# KiCad board proteus.kicad_pcb
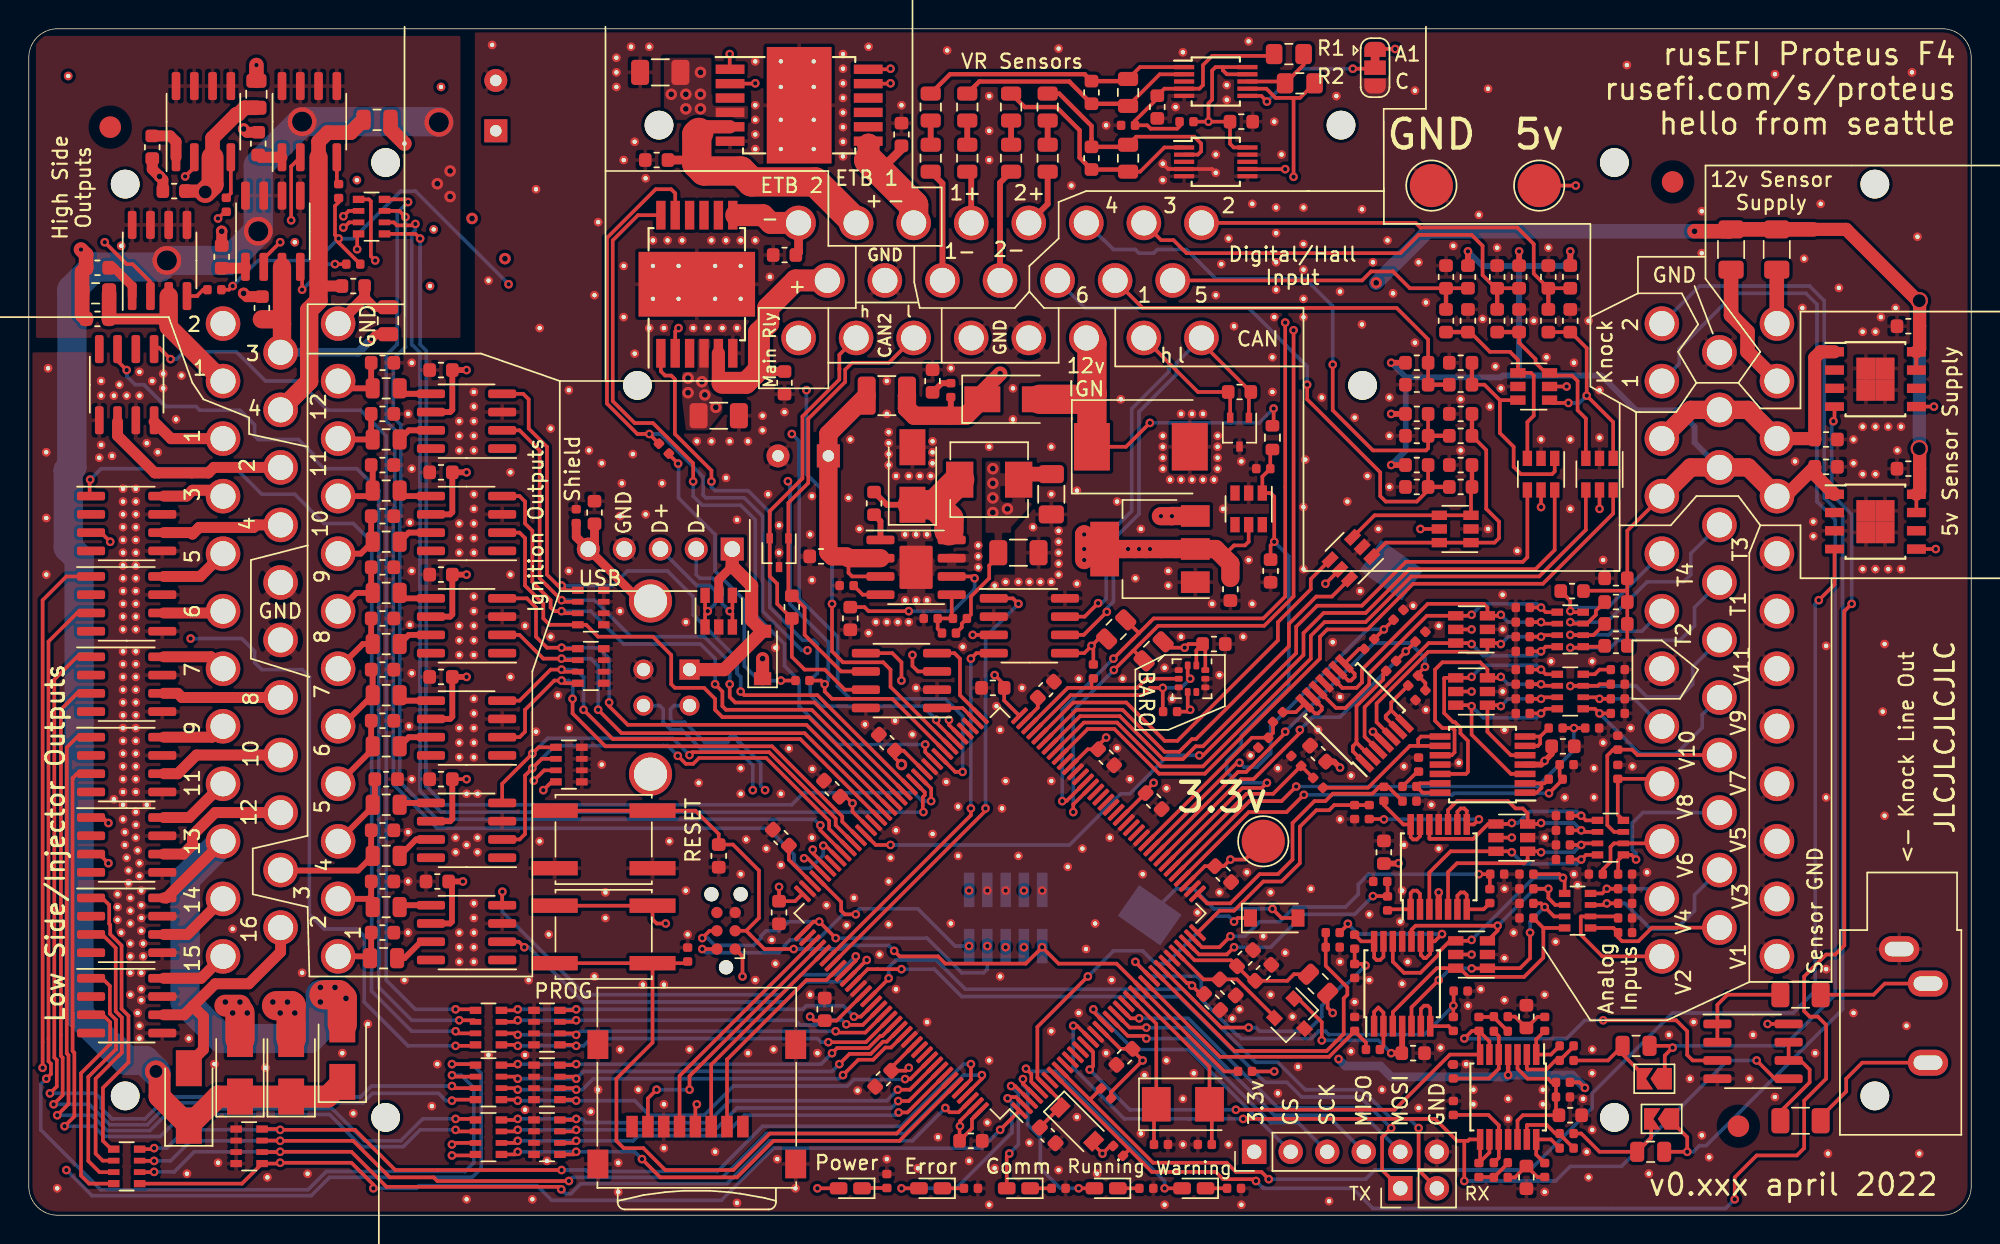
[diagram p0: board, top side]
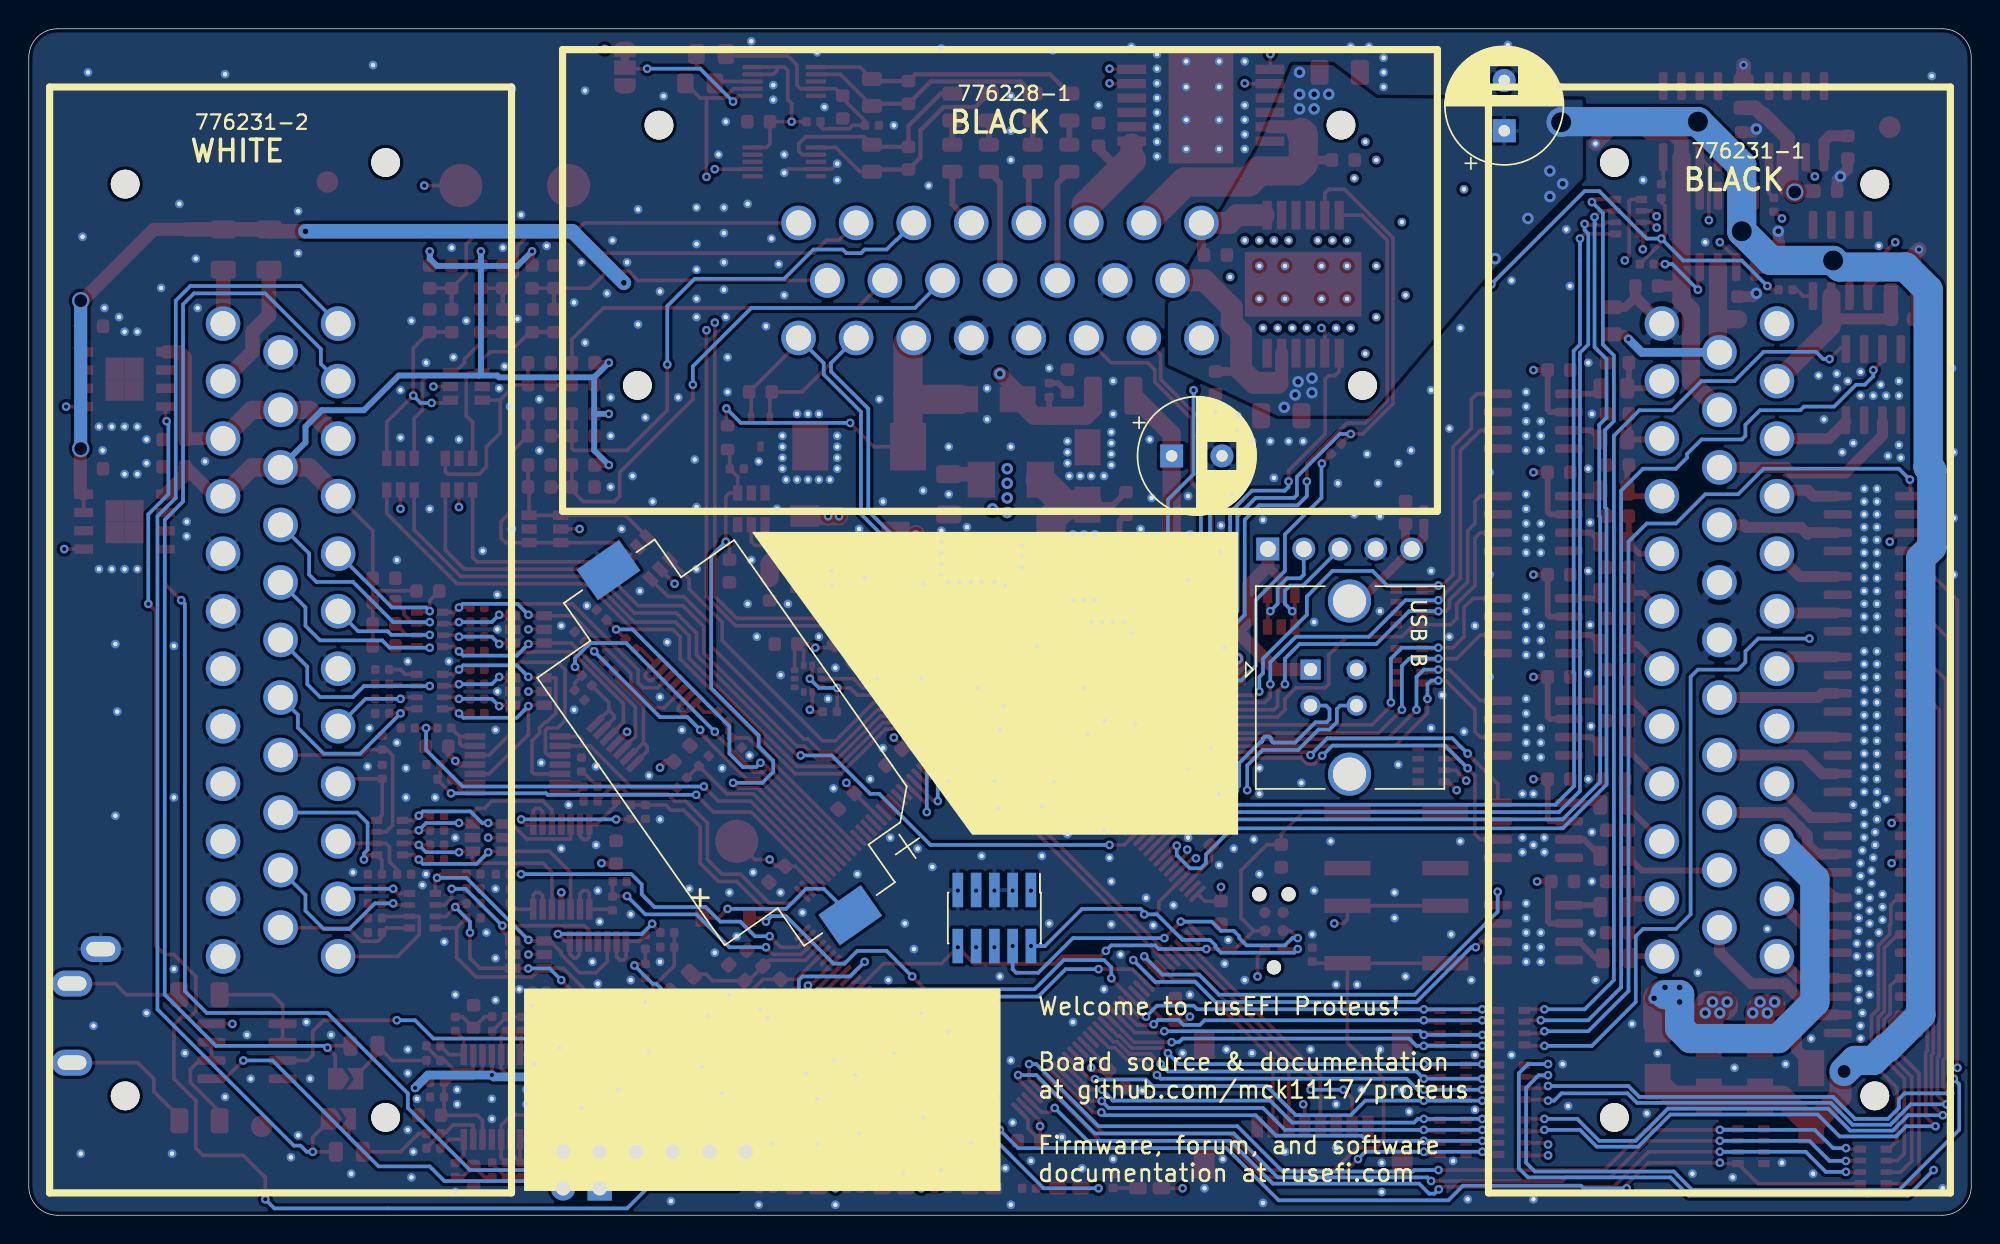
[diagram p1: board, bottom side, seen from below]

Outline 135 x 82.5 mm; copper layers: Top, In1.Cu (plane), In2.Cu (plane), Bottom. Coordinates in mm from the lower left corner of the outline.
Outline path: 0,80.5 0,2 arc(0.59,0.59) 2,0 133,0 arc(134.41,0.59) 135,2 135,80.5 arc(134.41,81.91) 133,82.5 2,82.5 arc(0.59,81.91) 0,80.5

## Placement (name value [footprint] x y rotation side)
BT1  Battery_Cell  [BatteryHolder_Keystone_1060_1x2032]  86.31 32.86 55 bottom
C1  100n  [C_0402_1005Metric]  104.09 20.67 180 top
C2  100n  [C_0402_1005Metric]  104.09 21.68 180 top
C3  100n  [C_0402_1005Metric]  104.09 22.7 180 top
C4  100n  [C_0402_1005Metric]  104.09 23.72 180 top
C5  100n  [C_0402_1005Metric]  106.63 24.73 180 top
C6  100n  [C_0402_1005Metric]  106.63 25.75 180 top
C7  100n  [C_0402_1005Metric]  106.63 26.76 180 top
C8  100n  [C_0402_1005Metric]  106.63 27.78 180 top
C9  100n  [C_0402_1005Metric]  103.83 34.89 180 top
C10  100n  [C_0402_1005Metric]  103.83 35.91 180 top
C11  100n  [C_0402_1005Metric]  103.83 36.92 180 top
C12  100n  [C_0402_1005Metric]  103.83 37.94 180 top
C13  100n  [C_0402_1005Metric]  103.83 39.21 180 top
C14  100n  [C_0402_1005Metric]  103.83 40.23 180 top
C15  100n  [C_0402_1005Metric]  103.83 41.24 180 top
C16  100n  [C_0402_1005Metric]  103.83 42.26 180 top
C17  56u  [CP_Radial_D8.0mm_P3.50mm]  32.46 75.41 90 bottom
C18  10u  [C_1206_3216Metric]  123.14 6.57 180 top
C19  10u  [C_1206_3216Metric]  123.14 15.33 180 top
C20  100n  [C_0603_1608Metric]  82.37 39.72 0 top
C21  680p  [C_0603_1608Metric]  104.09 13.81 270 top
C22  680p  [C_0603_1608Metric]  104.09 2.63 90 top
C23  330p  [C_0402_1005Metric]  100.78 13.3 270 top
C24  330p  [C_0402_1005Metric]  100.78 3.14 90 top
C25  47p  [C_0402_1005Metric]  99.01 10 270 top
C26  47p  [C_0402_1005Metric]  99.01 7.46 270 top
C27  10u  [C_1206_3216Metric]  47.95 55.59 180 top
C28  10n  [C_0603_1608Metric]  52.52 57.88 90 top
C29  10n  [C_0603_1608Metric]  52.52 66.77 180 top
C30  4.7u  [C_0603_1608Metric]  70.81 5.55 315 top
C701  100n  [C_0603_1608Metric]  96.21 11.27 0 top
C801  100n  [C_0603_1608Metric]  94.18 25.24 90 top
C901  100n  [C_0603_1608Metric]  106.63 32.61 0 top
C902  10n  [C_0603_1608Metric]  57.1 41.5 270 top
C903  4.7u  [C_0603_1608Metric]  83.51 43.53 270 top
C904  100n  [C_0603_1608Metric]  58.75 49.5 90 top
C905  330p  [C_0402_1005Metric]  63.95 40.48 180 top
C906  10u  [C_1206_3216Metric]  71.07 50.13 270 top
C1001  56u  [CP_Radial_D8.0mm_P3.50mm]  55.57 52.8 180 bottom
C1002  1u  [C_0603_1608Metric]  55.06 45.81 180 top
C1004  10u  [C_1206_3216Metric]  68.78 46.07 0 top
C1006  4.7u  [C_0603_1608Metric]  62.81 58.01 90 top
C1015  1u  [C_0603_1608Metric]  130.63 51.91 180 top
C1016  1u  [C_0603_1608Metric]  124.91 52.04 0 top
C1017  1u  [C_0603_1608Metric]  130.63 61.82 180 top
C1018  1u  [C_0603_1608Metric]  124.91 53.94 0 top
C1101  100n  [C_0603_1608Metric]  89.61 32.1 135 top
C1201  10u  [C_1206_3216Metric]  43.89 79.47 0 top
C1202  10n  [C_0603_1608Metric]  43.63 73.37 0 top
C1203  10n  [C_0603_1608Metric]  60.65 75.15 90 top
C1204  1n  [C_0603_1608Metric]  98.5 65.25 90 top
C1205  1n  [C_0603_1608Metric]  100.02 62.2 90 top
C1207  1n  [C_0603_1608Metric]  96.47 50.64 180 top
C1208  1n  [C_0603_1608Metric]  99.51 52.16 180 top
C1209  1n  [C_0603_1608Metric]  73.86 78.07 90 top
C1210  1n  [C_0603_1608Metric]  73.86 73.5 270 top
C1211  100n  [C_0603_1608Metric]  84.27 76.04 0 top
C1212  1u  [C_0603_1608Metric]  78.43 77.06 270 top
C1301  10n  [C_0603_1608Metric]  4.77 62.32 180 top
C1302  10n  [C_0603_1608Metric]  10.11 71.21 180 top
C1303  10n  [C_0603_1608Metric]  16.2 63.09 90 top
C1304  10n  [C_0603_1608Metric]  22.55 64.61 0 top
C1401  1n  [C_0603_1608Metric]  96.47 57.75 180 top
C1402  1n  [C_0603_1608Metric]  99.51 59.28 180 top
C1403  1n  [C_0603_1608Metric]  105.61 65.25 90 top
C1404  1n  [C_0603_1608Metric]  107.13 62.2 90 top
C1405  1n  [C_0603_1608Metric]  102.05 65.25 90 top
C1406  1n  [C_0603_1608Metric]  103.58 62.2 90 top
C1407  1n  [C_0603_1608Metric]  96.47 54.2 180 top
C1408  1n  [C_0603_1608Metric]  99.51 55.72 180 top
C1409  100n  [C_0603_1608Metric]  110.31 44.29 0 top
C1501  100n  [C_0603_1608Metric]  84.53 17.87 45 top
C1502  4.7u  [C_0603_1608Metric]  85.8 16.86 45 top
C1503  100n  [C_0603_1608Metric]  67 36.67 0 top
C1504  100n  [C_0603_1608Metric]  74.88 31.84 135 top
C1505  100n  [C_0603_1608Metric]  82.24 14.83 135 top
C1506  4.7u  [C_0603_1608Metric]  83 23.72 135 top
C1507  4.7u  [C_0603_1608Metric]  59.64 32.86 315 top
C1508  100n  [C_0603_1608Metric]  55.83 29.66 315 top
C1509  100n  [C_0603_1608Metric]  78.18 28.8 135 top
C1510  100n  [C_0603_1608Metric]  55.32 14.32 270 top
C1511  100n  [C_0603_1608Metric]  65.48 5.17 180 top
C1512  4.7u  [C_0603_1608Metric]  59.38 9.49 45 top
C1513  100n  [C_0603_1608Metric]  52.14 21.05 90 top
C1515  4.7u  [C_0603_1608Metric]  76.15 11.02 45 top
C1516  100n  [C_0603_1608Metric]  39.32 48.86 90 top
C1517  100n  [C_0603_1608Metric]  47.95 24.99 90 top
C1518  2.2u  [C_0603_1608Metric]  70.69 36.54 45 top
C1519  2.2u  [C_0603_1608Metric]  52.27 26.26 135 top
C1520  100n  [C_0603_1608Metric]  83.32 15.84 315 top
C1521  33p  [C_0402_1005Metric]  78.69 4.92 0 top
C1522  33p  [C_0402_1005Metric]  81.73 4.92 180 top
C1523  1u  [C_0603_1608Metric]  86.31 44.8 270 top
C1604  100n  [C_0603_1608Metric]  28.39 23.21 0 top
C1605  10n  [C_0603_1608Metric]  24.58 19.65 0 top
C1606  10n  [C_0603_1608Metric]  24.58 23.21 0 top
C1607  100n  [C_0603_1608Metric]  28.65 30.32 0 top
C1608  10n  [C_0603_1608Metric]  24.58 26.76 0 top
C1609  10n  [C_0603_1608Metric]  24.84 30.32 0 top
C1701  100n  [C_0603_1608Metric]  28.65 37.43 0 top
C1702  10n  [C_0603_1608Metric]  24.58 34.38 0 top
C1703  10n  [C_0603_1608Metric]  24.58 37.94 0 top
C1704  100n  [C_0603_1608Metric]  28.65 44.54 0 top
C1705  10n  [C_0603_1608Metric]  24.58 41.5 0 top
C1706  10n  [C_0603_1608Metric]  24.58 45.05 0 top
C1801  100n  [C_0603_1608Metric]  28.65 51.66 0 top
C1802  10n  [C_0603_1608Metric]  24.58 48.61 0 top
C1803  10n  [C_0603_1608Metric]  24.58 52.16 0 top
C1804  100n  [C_0603_1608Metric]  28.65 58.77 0 top
C1805  10n  [C_0603_1608Metric]  24.58 55.72 0 top
C1806  10n  [C_0603_1608Metric]  24.58 59.28 0 top
C1901  3.3n  [C_0805_2012Metric]  111.71 11.78 0 top
C1902  3.3n  [C_0805_2012Metric]  112.72 4.41 0 top
C1903  10n  [C_0603_1608Metric]  107.13 6.95 180 top
D1  PESD1CAN-UX  [SOT-323_SC-70]  84.15 54.45 270 top
D2  PESD1CAN-UX  [SOT-323_SC-70]  52.14 46.07 270 top
D3  schottky  [D_SOD-123]  86.56 20.67 0 top
D4  schottky  [D_SOD-123]  72.84 6.32 315 top
D101  D_Schottky  [D_SMA]  14.68 10.25 90 top
D102  D_Schottky  [D_SMA]  11.12 8.22 90 top
D103  D_Schottky  [D_SMA]  21.79 11.27 90 top
D104  D_Schottky  [D_SMA]  18.23 10.25 90 top
D901  D_Schottky  [D_SMA]  61.41 51.4 90 top
D903  D_Schottky  [D_SMA]  68.27 56.74 0 top
D1001  SM15T33CA  [D_SMC]  77.29 53.43 0 top
D1501  SRV05-4  [SOT-23-6]  84.78 49.12 270 top
D1502  GREEN  [LED_0603_1608Metric_Castellated]  57.1 1.87 180 top
D1503  schottky  [D_SOD-123]  51 38.96 90 top
D1504  RED  [LED_0603_1608Metric_Castellated]  62.68 1.87 180 top
D1505  BLUE  [LED_0603_1608Metric_Castellated]  68.78 1.87 180 top
D1506  GREEN  [LED_0603_1608Metric_Castellated]  74.88 1.87 180 top
D1507  ORANGE  [LED_0603_1608Metric_Castellated]  80.97 1.87 180 top
F101  Polyfuse  [R_1206_3216Metric]  118.31 67.15 90 top
F102  Polyfuse  [R_1206_3216Metric]  121.49 67.15 270 top
FB1501  Ferrite_Bead  [L_0805_2012Metric]  89.61 16.1 135 top
J1  Micro_SD_Card  [microSD_HC_Wuerth_693072010801]  46.43 7.71 180 top
J2  Conn_01x02  [PinHeader_1x02_P2.54mm_Vertical]  95.32 1.87 90 top
J3  AudioJack3  [Jack_3.5mm_CUI_SJ1-3533NG_Horizontal]  129.99 18.51 0 top
J4  Conn_01x06  [Tag-Connect_TC2030-IDC-NL_2x03_P1.27mm_Vertical]  48.46 19.78 90 top
J101  Conn_01x23  [ampseal-23]  67.5 65 180 bottom
J102  Conn_01x35  [ampseal-35]  17.5 40 270 bottom
J103  Conn_01x35  [ampseal-35-2]  117.5 40 90 bottom
J105  Conn_01x01  [TestPoint_Pad_D3.0mm]  97.48 71.59 0 top
J107  Conn_01x01  [TestPoint_Pad_D3.0mm]  104.97 71.59 0 top
J108  Conn_01x01  [TestPoint_Pad_D3.0mm]  85.8 26 0 top
J1501  USB_B  [USB_B_TE_5787834_Vertical]  45.92 37.94 90 bottom
J1502  Conn_02x05_Odd_Even  [PinHeader_2x05_P1.27mm_Vertical_SMD]  67.89 20.67 270 bottom
J1504  USB_B  [conn_5_2.5mm]  43.89 46.32 180 top
J1505  Conn_01x06  [PinHeader_1x06_P2.54mm_Vertical]  85.16 4.41 90 top
JP1  Jumper_NO_Small  [SolderJumper-2_P1.3mm_Open_TrianglePad1.0x1.5mm]  112.98 9.49 180 top
JP2  Jumper_NO_Small  [SolderJumper-2_P1.3mm_Open_TrianglePad1.0x1.5mm]  113.48 6.7 180 top
JP1201  Jumper_3_Bridged12  [SolderJumper-3_P1.3mm_Bridged12_RoundedPad1.0x1.5mm]  93.57 79.79 270 top
L1001  10u  [MWSA0503]  66.75 51.15 180 top
L1002  2.2u  [L_1210_3225Metric]  59.64 56.99 180 top
NOREF  -  [unnamed]  102.56 22.7 0 top
NOREF#2  -  [unnamed]  84.91 31.97 0 top
NOREF#3  -  [unnamed]  107.39 23.72 0 top
NOREF#4  -  [unnamed]  107.64 22.95 0 top
NOREF#5  -  [unnamed]  109.42 32.86 0 top
NOREF#6  -  [unnamed]  106.75 29.05 0 top
NOREF#7  -  [unnamed]  108.78 29.05 0 top
NOREF#8  -  [unnamed]  108.78 31.08 0 top
NOREF#9  -  [unnamed]  112.47 23.84 0 top
NOREF#10  -  [unnamed]  111.45 31.21 0 top
NOREF#11  -  [unnamed]  111.33 33.88 0 top
NOREF#12  -  [unnamed]  109.42 45.56 0 top
NOREF#13  -  [unnamed]  83.39 67.91 0 top
NOREF#14  -  [unnamed]  82.88 66.13 0 top
NOREF#15  -  [unnamed]  82.5 63.98 0 top
NOREF#16  -  [unnamed]  83.77 61.82 0 top
NOREF#17  -  [unnamed]  92.66 61.94 0 top
NOREF#18  -  [unnamed]  88.72 52.55 0 top
NOREF#19  -  [unnamed]  85.04 42.51 0 top
NOREF#20  -  [unnamed]  72.97 37.3 0 top
NOREF#21  -  [unnamed]  79.19 44.8 0 top
NOREF#22  -  [unnamed]  91.13 36.03 0 top
NOREF#23  -  [unnamed]  89.61 33.75 0 top
NOREF#24  -  [unnamed]  86.81 31.08 0 top
NOREF#25  -  [unnamed]  95.58 31.21 0 top
NOREF#26  -  [unnamed]  99.39 31.46 0 top
NOREF#27  -  [unnamed]  97.48 28.54 0 top
NOREF#28  -  [unnamed]  95.58 25.75 0 top
NOREF#29  -  [unnamed]  97.99 25.49 0 top
NOREF#30  -  [unnamed]  95.45 22.57 0 top
NOREF#31  -  [unnamed]  95.32 20.41 0 top
NOREF#32  -  [unnamed]  97.1 35.15 0 top
NOREF#33  -  [unnamed]  97.99 40.99 0 top
NOREF#34  -  [unnamed]  96.21 42.38 0 top
NOREF#35  -  [unnamed]  102.56 33.75 0 top
NOREF#36  -  [unnamed]  105.23 8.73 0 top
NOREF#37  -  [unnamed]  105.23 7.71 0 top
NOREF#38  -  [unnamed]  102.82 6.7 0 top
NOREF#39  -  [unnamed]  100.4 7.71 0 top
NOREF#40  -  [unnamed]  100.4 8.73 0 top
NOREF#41  -  [unnamed]  105.36 15.33 0 top
NOREF#42  -  [unnamed]  105.36 1.62 0 top
NOREF#43  -  [unnamed]  108.4 2.63 0 top
NOREF#44  -  [unnamed]  98.12 11.65 0 top
NOREF#45  -  [unnamed]  100.91 15.71 0 top
NOREF#46  -  [unnamed]  95.83 17.62 0 top
NOREF#47  -  [unnamed]  102.56 17.87 0 top
NOREF#48  -  [unnamed]  103.2 19.65 0 top
NOREF#49  -  [unnamed]  106.12 19.02 0 top
NOREF#50  -  [unnamed]  91.13 27.53 0 top
NOREF#51  -  [unnamed]  82.75 22.45 0 top
NOREF#52  -  [unnamed]  84.66 23.84 0 top
NOREF#53  -  [unnamed]  85.8 19.4 0 top
NOREF#54  -  [unnamed]  83.64 13.68 0 top
NOREF#55  -  [unnamed]  84.15 14.32 0 top
NOREF#56  -  [unnamed]  91.89 11.4 0 top
NOREF#57  -  [unnamed]  80.21 4.92 0 top
NOREF#58  -  [unnamed]  65.35 3.78 0 top
NOREF#59  -  [unnamed]  74.24 2.89 0 top
NOREF#60  -  [unnamed]  57.6 8.67 0 top
NOREF#61  -  [unnamed]  54.45 31.03 0 top
NOREF#62  -  [unnamed]  52.27 29.3 0 top
NOREF#63  -  [unnamed]  49.86 26.13 0 top
NOREF#64  -  [unnamed]  54.43 26.26 0 top
NOREF#65  -  [unnamed]  40.08 20.67 0 top
NOREF#66  -  [unnamed]  30.43 1.11 0 top
NOREF#67  -  [unnamed]  40.97 1.62 0 top
NOREF#68  -  [unnamed]  7.57 14.06 0 top
NOREF#69  -  [unnamed]  7.82 14.95 0 top
NOREF#70  -  [unnamed]  7.06 15.33 0 top
NOREF#71  -  [unnamed]  7.82 15.71 0 top
NOREF#72  -  [unnamed]  7.06 18 0 top
NOREF#73  -  [unnamed]  7.95 18 0 top
NOREF#74  -  [unnamed]  7.95 18.89 0 top
NOREF#75  -  [unnamed]  7.06 18.89 0 top
NOREF#76  -  [unnamed]  6.42 19.65 0 top
NOREF#77  -  [unnamed]  7.82 19.78 0 top
NOREF#78  -  [unnamed]  7.06 20.29 0 top
NOREF#79  -  [unnamed]  7.82 20.67 0 top
NOREF#80  -  [unnamed]  7.06 21.18 0 top
NOREF#81  -  [unnamed]  6.17 20.54 0 top
NOREF#82  -  [unnamed]  6.17 21.43 0 top
NOREF#83  -  [unnamed]  7.82 21.56 0 top
NOREF#84  -  [unnamed]  7.06 22.06 0 top
NOREF#85  -  [unnamed]  6.17 22.32 0 top
NOREF#86  -  [unnamed]  7.82 22.57 0 top
NOREF#87  -  [unnamed]  52.27 24.35 0 top
NOREF#88  -  [unnamed]  116.28 66.9 0 top
NOREF#89  -  [unnamed]  116.28 69.82 0 top
NOREF#90  -  [unnamed]  125.8 64.48 0 top
NOREF#91  -  [unnamed]  123.39 66.52 0 top
NOREF#92  -  [unnamed]  123.26 63.09 0 top
NOREF#93  -  [unnamed]  124.91 17.11 0 top
NOREF#94  -  [unnamed]  126.82 14.06 0 top
NOREF#95  -  [unnamed]  116.79 4.03 0 top
NOREF#96  -  [unnamed]  116.28 5.55 0 top
NOREF#97  -  [unnamed]  113.99 12.54 0 top
NOREF#98  -  [unnamed]  100.02 14.57 0 top
NOREF#99  -  [unnamed]  102.56 14.95 0 top
NOREF#100  -  [unnamed]  102.82 8.1 0 top
NOREF#101  -  [unnamed]  128.98 39.72 0 top
NOREF#102  -  [unnamed]  128.85 35.02 0 top
NOREF#103  -  [unnamed]  128.98 27.78 0 top
NOREF#104  -  [unnamed]  124.91 29.05 0 top
NOREF#105  -  [unnamed]  124.91 39.59 0 top
NOREF#106  -  [unnamed]  131.39 4.29 0 top
NOREF#107  -  [unnamed]  125.04 4.29 0 top
NOREF#108  -  [unnamed]  130.5 13.18 0 top
NOREF#109  -  [unnamed]  130.88 79.47 0 top
NOREF#110  -  [unnamed]  121.36 79.34 0 top
NOREF#111  -  [unnamed]  101.42 78.33 0 top
NOREF#112  -  [unnamed]  111.07 79.98 0 top
NOREF#113  -  [unnamed]  131.26 68.04 0 top
NOREF#114  -  [unnamed]  1.98 1.87 0 top
NOREF#115  -  [unnamed]  7.82 16.86 0 top
NOREF#116  -  [unnamed]  7.06 16.86 0 top
NOREF#117  -  [unnamed]  6.93 23.08 0 top
NOREF#118  -  [unnamed]  7.69 23.59 0 top
NOREF#119  -  [unnamed]  6.93 23.97 0 top
NOREF#120  -  [unnamed]  7.69 24.48 0 top
NOREF#121  -  [unnamed]  6.8 24.86 0 top
NOREF#122  -  [unnamed]  7.57 25.37 0 top
NOREF#123  -  [unnamed]  6.68 25.75 0 top
NOREF#124  -  [unnamed]  7.44 26.26 0 top
NOREF#125  -  [unnamed]  6.68 26.64 0 top
NOREF#126  -  [unnamed]  7.44 27.14 0 top
NOREF#127  -  [unnamed]  6.55 27.53 0 top
NOREF#128  -  [unnamed]  7.44 28.03 0 top
NOREF#129  -  [unnamed]  7.44 29.43 0 top
NOREF#130  -  [unnamed]  6.55 29.43 0 top
NOREF#131  -  [unnamed]  5.91 28.92 0 top
NOREF#132  -  [unnamed]  7.44 30.32 0 top
NOREF#133  -  [unnamed]  7.44 31.21 0 top
NOREF#134  -  [unnamed]  7.44 32.1 0 top
NOREF#135  -  [unnamed]  7.44 32.99 0 top
NOREF#136  -  [unnamed]  6.55 32.1 0 top
NOREF#137  -  [unnamed]  6.55 31.21 0 top
NOREF#138  -  [unnamed]  6.55 30.32 0 top
NOREF#139  -  [unnamed]  6.55 32.99 0 top
NOREF#140  -  [unnamed]  7.44 33.88 0 top
NOREF#141  -  [unnamed]  6.55 33.88 0 top
NOREF#142  -  [unnamed]  7.44 34.77 0 top
NOREF#143  -  [unnamed]  6.55 34.77 0 top
NOREF#144  -  [unnamed]  7.44 35.65 0 top
NOREF#145  -  [unnamed]  6.55 35.65 0 top
NOREF#146  -  [unnamed]  7.44 36.54 0 top
NOREF#147  -  [unnamed]  6.55 36.54 0 top
NOREF#148  -  [unnamed]  6.55 37.43 0 top
NOREF#149  -  [unnamed]  7.44 37.43 0 top
NOREF#150  -  [unnamed]  7.44 38.32 0 top
NOREF#151  -  [unnamed]  6.55 38.32 0 top
NOREF#152  -  [unnamed]  6.55 39.21 0 top
NOREF#153  -  [unnamed]  7.44 39.21 0 top
NOREF#154  -  [unnamed]  7.44 40.73 0 top
NOREF#155  -  [unnamed]  6.55 40.73 0 top
NOREF#156  -  [unnamed]  6.55 41.62 0 top
NOREF#157  -  [unnamed]  7.44 41.62 0 top
NOREF#158  -  [unnamed]  7.44 42.51 0 top
NOREF#159  -  [unnamed]  6.55 42.51 0 top
NOREF#160  -  [unnamed]  7.44 43.4 0 top
NOREF#161  -  [unnamed]  6.55 43.4 0 top
NOREF#162  -  [unnamed]  7.44 44.29 0 top
NOREF#163  -  [unnamed]  6.55 44.29 0 top
NOREF#164  -  [unnamed]  7.44 45.18 0 top
NOREF#165  -  [unnamed]  7.44 46.07 0 top
NOREF#166  -  [unnamed]  7.44 46.96 0 top
NOREF#167  -  [unnamed]  7.44 47.85 0 top
NOREF#168  -  [unnamed]  7.44 48.73 0 top
NOREF#169  -  [unnamed]  7.44 49.62 0 top
NOREF#170  -  [unnamed]  6.55 49.62 0 top
NOREF#171  -  [unnamed]  6.55 48.73 0 top
NOREF#172  -  [unnamed]  6.55 47.85 0 top
NOREF#173  -  [unnamed]  6.55 46.96 0 top
NOREF#174  -  [unnamed]  6.55 46.07 0 top
NOREF#175  -  [unnamed]  6.55 45.18 0 top
NOREF#176  -  [unnamed]  7.44 50.51 0 top
NOREF#177  -  [unnamed]  6.55 50.51 0 top
NOREF#178  -  [unnamed]  8.96 53.05 0 top
NOREF#179  -  [unnamed]  8.2 53.69 0 top
NOREF#180  -  [unnamed]  10.23 55.34 0 top
NOREF#181  -  [unnamed]  10.61 58.39 0 top
NOREF#182  -  [unnamed]  5.03 58.01 0 top
NOREF#183  -  [unnamed]  9.34 57.5 0 top
NOREF#184  -  [unnamed]  7.69 58.64 0 top
NOREF#185  -  [unnamed]  7.69 56.99 0 top
NOREF#186  -  [unnamed]  6.8 56.99 0 top
NOREF#187  -  [unnamed]  5.91 56.99 0 top
NOREF#188  -  [unnamed]  5.03 56.99 0 top
NOREF#189  -  [unnamed]  5.79 52.8 0 top
NOREF#190  -  [unnamed]  5.03 53.56 0 top
NOREF#191  -  [unnamed]  4.9 52.67 0 top
NOREF#192  -  [unnamed]  1.22 44.54 0 top
NOREF#193  -  [unnamed]  1.22 53.05 0 top
NOREF#194  -  [unnamed]  1.34 58.9 0 top
NOREF#195  -  [unnamed]  26.62 59.28 0 top
NOREF#196  -  [unnamed]  38.94 53.18 0 top
NOREF#197  -  [unnamed]  39.82 52.29 0 top
NOREF#198  -  [unnamed]  41.22 50.89 0 top
NOREF#199  -  [unnamed]  44.02 50.89 0 top
NOREF#200  -  [unnamed]  41.98 52.93 0 top
NOREF#201  -  [unnamed]  37.54 57.37 0 top
NOREF#202  -  [unnamed]  60.65 77.18 0 top
NOREF#203  -  [unnamed]  78.81 73.12 0 top
NOREF#204  -  [unnamed]  78.81 71.98 0 top
NOREF#205  -  [unnamed]  86.56 76.04 0 top
NOREF#206  -  [unnamed]  83.26 78.58 0 top
NOREF#207  -  [unnamed]  82.5 73.75 0 top
NOREF#208  -  [unnamed]  85.04 70.33 0 top
NOREF#209  -  [unnamed]  87.07 73.75 0 top
NOREF#210  -  [unnamed]  88.59 70.07 0 top
NOREF#211  -  [unnamed]  66.75 77.82 0 top
NOREF#212  -  [unnamed]  66.75 75.41 0 top
NOREF#213  -  [unnamed]  66.75 73.37 0 top
NOREF#214  -  [unnamed]  72.46 71.59 0 top
NOREF#215  -  [unnamed]  60.91 42.77 0 top
NOREF#216  -  [unnamed]  67.51 33.75 0 top
NOREF#217  -  [unnamed]  68.4 55.34 0 top
NOREF#218  -  [unnamed]  68.4 57.5 0 top
NOREF#219  -  [unnamed]  78.81 53.43 0 top
NOREF#220  -  [unnamed]  78.81 52.67 0 top
NOREF#221  -  [unnamed]  78.81 54.2 0 top
NOREF#222  -  [unnamed]  84.27 52.42 0 top
NOREF#223  -  [unnamed]  86.43 57.24 0 top
NOREF#224  -  [unnamed]  86.43 59.66 0 top
NOREF#225  -  [unnamed]  86.69 70.07 0 top
NOREF#226  -  [unnamed]  86.69 68.29 0 top
NOREF#227  -  [unnamed]  88.59 67.53 0 top
NOREF#228  -  [unnamed]  86.69 66.26 0 top
NOREF#229  -  [unnamed]  88.59 65.75 0 top
NOREF#230  -  [unnamed]  86.69 64.36 0 top
NOREF#231  -  [unnamed]  88.59 63.72 0 top
NOREF#232  -  [unnamed]  88.59 62.45 0 top
NOREF#233  -  [unnamed]  86.56 62.45 0 top
NOREF#234  -  [unnamed]  51.25 25.49 0 top
NOREF#235  -  [unnamed]  49.48 29.3 0 top
NOREF#236  -  [unnamed]  63.83 80.99 0 top
NOREF#237  -  [unnamed]  71.57 81.12 0 top
NOREF#238  -  [unnamed]  66.62 6.44 0 top
NOREF#239  -  [unnamed]  61.8 3.27 0 top
NOREF#240  -  [unnamed]  69.54 5.05 0 top
NOREF#241  -  [unnamed]  74.88 11.27 0 top
NOREF#242  -  [unnamed]  81.23 21.05 0 top
NOREF#243  -  [unnamed]  75.13 26.26 0 top
NOREF#244  -  [unnamed]  71.07 30.19 0 top
NOREF#245  -  [unnamed]  64.59 28.41 0 top
NOREF#246  -  [unnamed]  62.81 26.51 0 top
NOREF#247  -  [unnamed]  64.59 24.99 0 top
NOREF#248  -  [unnamed]  60.27 26.76 0 top
NOREF#249  -  [unnamed]  59.76 23.21 0 top
NOREF#250  -  [unnamed]  62.43 13.43 0 top
NOREF#251  -  [unnamed]  66.75 10.76 0 top
NOREF#252  -  [unnamed]  74.11 20.29 0 top
NOREF#253  -  [unnamed]  67.64 28.29 0 top
NOREF#254  -  [unnamed]  67.89 30.19 0 top
NOREF#255  -  [unnamed]  73.22 25.49 0 top
NOREF#256  -  [unnamed]  72.21 24.22 0 top
NOREF#257  -  [unnamed]  46.55 30.07 0 top
NOREF#258  -  [unnamed]  44.52 26 0 top
NOREF#259  -  [unnamed]  49.48 23.72 0 top
NOREF#260  -  [unnamed]  87.32 18.26 0 top
NOREF#261  -  [unnamed]  95.45 16.1 0 top
NOREF#262  -  [unnamed]  73.48 18.51 0 top
NOREF#263  -  [unnamed]  75.26 16.35 0 top
NOREF#264  -  [unnamed]  72.84 6.83 0 top
NOREF#265  -  [unnamed]  92.66 69.94 0 top
NOREF#266  -  [unnamed]  42.87 48.73 0 top
NOREF#267  -  [unnamed]  78.81 51.91 0 top
NOREF#268  -  [unnamed]  79.32 51.15 0 top